# Altium PCB STM32F7_ExpansionBoard.PcbDoc (part 1 of 2) (continued)
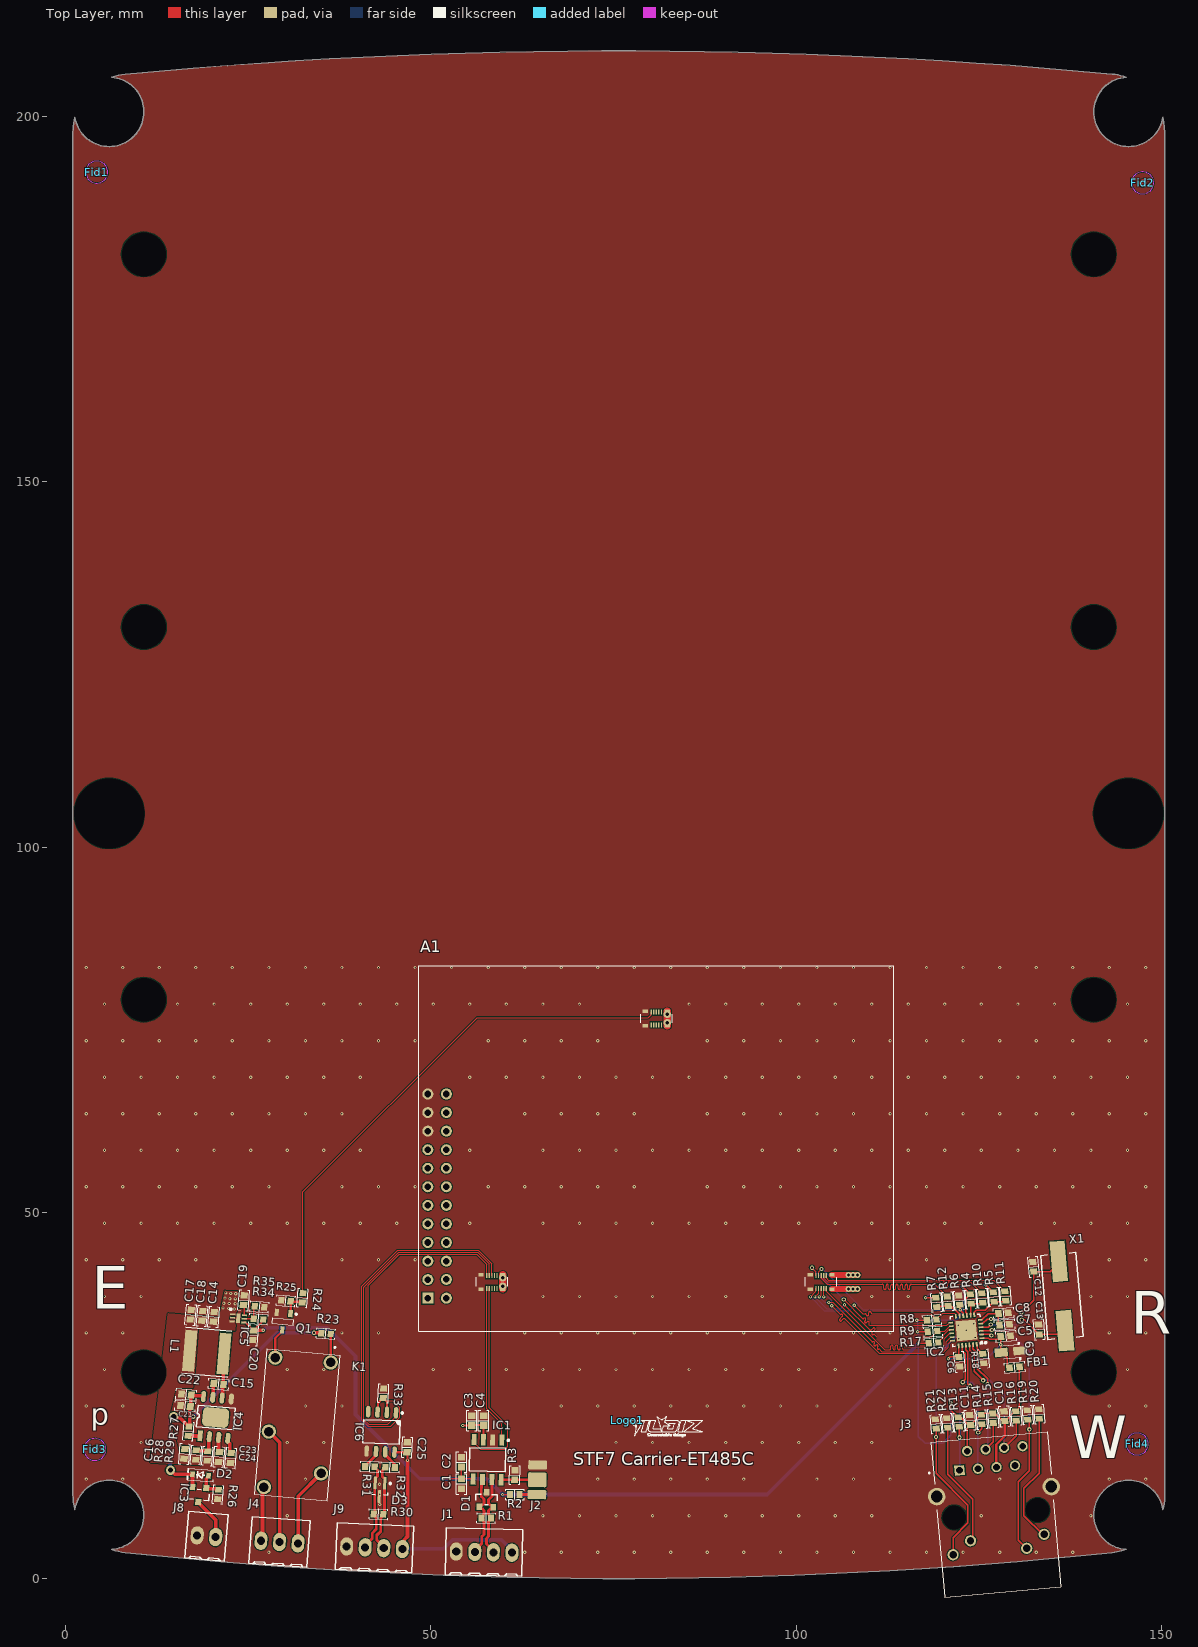
[diagram p0: Top Layer view]
## Part data (continued)
C9: library part "Capacitor - Tantalum", "Capacitor, Tantalum", Case/Package=1206, Case Code (Metric)=3216, Dielectric Material=Tantalum, ESR (Equivalent Series Resistance)=3.4R, Leakage Current=1uA, Manufacturer="Vishay Sprague", Manufacturer Part Number=293D106X0010A2TE3, Max Operating Temperature=125°C, Min Operating Temperature=-55°C, Package Quantity=2000, Ripple Current=150mA, Supplier Part Number 1=718-1118-1-ND, Tolerance=20%, Voltage Rating=10V, Capacitance=10uF, Case Code (Imperial)=1206, ComponentLink1Description=https://datasheet.ciiva.com/34303/1931149-34303313.pdf?src-supplier=Jameco, ComponentLink1URL=https://datasheet.ciiva.com/34303/1931149-34303313.pdf?src-supplier=Jameco, ComponentLink2Description=https://datasheet.ciiva.com/3003/293d-3003810.pdf?src-supplier=Avnet, ComponentLink2URL=https://datasheet.ciiva.com/3003/293d-3003810.pdf?src-supplier=Avnet, ComponentLink3Description=https://datasheet.ciiva.com/3003/293d-3003811.pdf?src-supplier=Avnet, ComponentLink3URL=https://datasheet.ciiva.com/3003/293d-3003811.pdf?src-supplier=Avnet, ComponentLink4Description=https://datasheet.ciiva.com/257/293d-257881.pdf?src-supplier=Digi-Key, ComponentLink4URL=https://datasheet.ciiva.com/257/293d-257881.pdf?src-supplier=Digi-Key, ComponentLink5Description=https://datasheet.ciiva.com/22644/1910915-22644425.pdf?src-supplier=Element14, ComponentLink5URL=https://datasheet.ciiva.com/22644/1910915-22644425.pdf?src-supplier=Element14, ComponentLink6Description=https://datasheet.ciiva.com/46382/1796648-46382041.pdf?src-supplier=Element14, ComponentLink6URL=https://datasheet.ciiva.com/46382/1796648-46382041.pdf?src-supplier=Element14, ComponentLink7Description=https://datasheet.ciiva.com/257/293d-257879.pdf?src-supplier=Digi-Key, ComponentLink7URL=https://datasheet.ciiva.com/257/293d-257879.pdf?src-supplier=Digi-Key, ComponentLink8Description=https://datasheet.ciiva.com/257/293d-257880.pdf?src-supplier=Digi-Key, ComponentLink8URL=https://datasheet.ciiva.com/257/293d-257880.pdf?src-supplier=Digi-Key, ComponentLink9Description=https://datasheet.ciiva.com/16631/293d-16631752.pdf?src-supplier=Avnet+Europe, ComponentLink9URL=https://datasheet.ciiva.com/16631/293d-16631752.pdf?src-supplier=Avnet+Europe, ComponentLink10Description=https://datasheet.ciiva.com/16214/293d-16214444.pdf?src-supplier=Future+Electronics, ComponentLink10URL=https://datasheet.ciiva.com/16214/293d-16214444.pdf?src-supplier=Future+Electronics, ComponentLink11Description=https://datasheet.ciiva.com/12911/293d-239871-12911551.pdf?src-supplier=Mouser, ComponentLink11URL=https://datasheet.ciiva.com/12911/293d-239871-12911551.pdf?src-supplier=Mouser, ComponentLink12Description=https://datasheet.ciiva.com/18443/70212567-18443951.pdf?src-supplier=Allied+Electronics, ComponentLink12URL=https://datasheet.ciiva.com/18443/70212567-18443951.pdf?src-supplier=Allied+Electronics, Depth=1.6mm, Dissipation Factor=6%, Features="General Purpose", Height=1.8mm, Height - Seated (Max)=0.071inch, Lead Free="Lead Free", Length=3.2mm, Mount="Surface Mount,PCB", Number of Pins=2, Packaging="Tape and Reel", Polarity=Polar, Pricing 1="1 = 0,30000, 10 = 0,21200, 100 = 0,12700, 500 = 0,09522, 1000 = 0,08041 (USD)", Radiation Hardening=No, REACH SVHC=Unknown, RoHS=Yes, Stock 1=31671, Supplier 1=Digi-Key, Termination=SMD/SMT, Voltage Rating (DC)=10V, Width=0.063inch
C12 C13: library part "Capacitor - Ceramic", "Ceramic, SMT Capacitor", Case/Package=0603, Case Code (Metric)=1608, Dielectric=C0G, Dielectric Material=Ceramic, Manufacturer=KEMET, Manufacturer Part Number=C0603C180J5GACTU, Max Operating Temperature=125°C, Min Operating Temperature=-55°C, Package Quantity=4000, Supplier Part Number 1=399-1052-1-ND, Temperature Coefficient=30ppm/°C, Tolerance=5%, Voltage=50V, Capacitance=18pF, Case Code (Imperial)=0603, ComponentLink1Description=https://datasheet.ciiva.com/7824/f9080b-0402-series-c0g-7824009.pdf?src-supplier=Element14, ComponentLink1URL=https://datasheet.ciiva.com/7824/f9080b-0402-series-c0g-7824009.pdf?src-supplier=Element14, ComponentLink2Description=https://datasheet.ciiva.com/7824/1372242-7824010.pdf?src-supplier=Element14, ComponentLink2URL=https://datasheet.ciiva.com/7824/1372242-7824010.pdf?src-supplier=Element14, Depth=0.8mm, Dissipation Factor=0.1%, Height=0.8mm, Lead Free="Lead Free", Length=1.6mm, Mount="Surface Mount", Packaging="Tape and Reel", Pricing 1="1 = 0,10000, 10 = 0,04900, 100 = 0,02170, 500 = 0,01552, 1000 = 0,01219 (USD)", Radiation Hardening=No, RoHS=Yes, Stock 1=262310, Supplier 1=Digi-Key, Termination=SMD/SMT, Voltage Rating=50V, Voltage Rating (DC)=50V, Width=0.8mm
C15 C19: library part "Capacitor - Ceramic", "Ceramic, SMT Capacitor", Case/Package=0603, Case Code (Metric)=1608, Dielectric=X7R, Manufacturer=Samsung, Manufacturer Part Number=CL10B104JB8NNNC, Max Operating Temperature=125°C, Min Operating Temperature=-55°C, Package Quantity=1, Supplier Part Number 1=1276-1033-1-ND, Tolerance=5%, Voltage=50V, Capacitance=100nF, Case Code (Imperial)=0603, ComponentLink1Description=https://media.digikey.com/pdf/Data%20Sheets/Samsung%20PDFs/CL_Series_MLCC_ds.pdf?src-supplier=Digi-Key, ComponentLink1URL=https://media.digikey.com/pdf/Data%20Sheets/Samsung%20PDFs/CL_Series_MLCC_ds.pdf?src-supplier=Digi-Key, ComponentLink2Description=https://www.verical.com/server-webapp/html/getDatasheet?partID=359321&src-supplier=Verical, ComponentLink2URL=https://www.verical.com/server-webapp/html/getDatasheet?partID=359321&src-supplier=Verical, ComponentLink3Description=http://www1.futureelectronics.com/doc/SAMSUNG/CL10B104JB8NNNC.pdf?src-supplier=Future+Electronics, ComponentLink3URL=http://www1.futureelectronics.com/doc/SAMSUNG/CL10B104JB8NNNC.pdf?src-supplier=Future+Electronics, ComponentLink4Description=https://produktinfo.conrad.com/datenblaetter/450000-474999/456613-da-01-en-VS_KONDENSATOR_0603.pdf?src-supplier=Conrad, ComponentLink4URL=https://produktinfo.conrad.com/datenblaetter/450000-474999/456613-da-01-en-VS_KONDENSATOR_0603.pdf?src-supplier=Conrad, Contact Plating=Tin, Depth=0.8mm, Height=0.8mm, Length=1.6mm, Material=Ceramic, Mount="Surface Mount", Packaging="Tape and Reel", Pricing 1="1 = 0,10000, 10 = 0,05300, 100 = 0,02350, 500 = 0,01680, 1000 = 0,01320 (USD)", Radiation Hardening=No, RoHS=Yes, Stock 1=223594, Supplier 1=Digi-Key, Thickness=0.035inch, Voltage Rating=50V, Width=0.031inch
C16: library part "Capacitor - Ceramic", "Ceramic, SMT Capacitor", Case/Package=0603, Case Code (Metric)=1608, Dielectric=C0G, Manufacturer=Samsung, Manufacturer Part Number=CL10C050BB8NNNC, Max Operating Temperature=125°C, Min Operating Temperature=-55°C, Package Quantity=1, Supplier Part Number 1=1276-2129-1-ND, Voltage Rating=50V, Capacitance=5pF, Case Code (Imperial)=0603, ComponentLink1Description=https://datasheet.ciiva.com/25724/cl10c050bb8nnnc-25724229.pdf?src-supplier=Digi-Key, ComponentLink1URL=https://datasheet.ciiva.com/25724/cl10c050bb8nnnc-25724229.pdf?src-supplier=Digi-Key, ComponentLink2Description=https://datasheet.ciiva.com/16214/cl05b104kq5nnnc-16214485.pdf?src-supplier=Future+Electronics, ComponentLink2URL=https://datasheet.ciiva.com/16214/cl05b104kq5nnnc-16214485.pdf?src-supplier=Future+Electronics, Depth=0.8mm, Height=0.8mm, Length=1.6mm, Mount="Surface Mount", Packaging="Tape and Reel", Pricing 1="1 = 0,10000, 10 = 0,06800, 100 = 0,03010, 500 = 0,02148, 1000 = 0,01688 (USD)", Radiation Hardening=No, RoHS=Yes, Stock 1=129045, Supplier 1=Digi-Key, Thickness=0.035inch, Width=0.031inch
C17 C18: library part "Capacitor - Ceramic", "Ceramic, SMT Capacitor", Case/Package=0603, Case Code (Metric)=1608, Manufacturer=Samsung, Manufacturer Part Number=CL10A226MPCNUBE, Max Operating Temperature=85°C, Min Operating Temperature=-55°C, Supplier Part Number 1=1276-6504-1-ND, Tolerance=20%, Voltage Rating=10V, Capacitance=22uF, Case Code (Imperial)=0603, ComponentLink1Description=http://www.samsungsem.com/kr/support/product-search/mlcc/CL10A226MPCNUBE.jsp?src-supplier=Digi-Key, ComponentLink1URL=http://www.samsungsem.com/kr/support/product-search/mlcc/CL10A226MPCNUBE.jsp?src-supplier=Digi-Key, Length=0.063inch, Mount="Surface Mount", Packaging="Tape and Reel", Pricing 1="1 = 0,38000, 10 = 0,26200, 100 = 0,15740, 500 = 0,11804, 1000 = 0,09967 (USD)", RoHS=Yes, Stock 1=739808, Supplier 1=Digi-Key, Thickness=0.037inch, Width=0.031inch
C21 C22: library part "Capacitor - Ceramic", "Ceramic, SMT Capacitor", Case/Package=0603, Case Code (Metric)=1608, Dielectric=X5R, Manufacturer=Samsung, Manufacturer Part Number=CL10A106MQ8NNNC, Max Operating Temperature=85°C, Min Operating Temperature=-55°C, Package Quantity=1, Supplier Part Number 1=1276-1119-1-ND, Tolerance=20%, Voltage=6.3V, Capacitance=10uF, Case Code (Imperial)=0603, ComponentLink1Description=https://datasheet.ciiva.com/25798/cl10a106mq8nnnc-25798320.pdf?src-supplier=Digi-Key, ComponentLink1URL=https://datasheet.ciiva.com/25798/cl10a106mq8nnnc-25798320.pdf?src-supplier=Digi-Key, ComponentLink2Description=https://datasheet.ciiva.com/26838/getdatasheetpartid-357557-26838347.pdf?src-supplier=Verical, ComponentLink2URL=https://datasheet.ciiva.com/26838/getdatasheetpartid-357557-26838347.pdf?src-supplier=Verical, ComponentLink3Description=https://datasheet.ciiva.com/16437/cl05b104kq5nnnc-16437327.pdf?src-supplier=Future+Electronics, ComponentLink3URL=https://datasheet.ciiva.com/16437/cl05b104kq5nnnc-16437327.pdf?src-supplier=Future+Electronics, Contact Plating=Tin, Depth=0.8mm, Height=0.8mm, Length=1.6mm, Mount="Surface Mount", Packaging="Tape and Reel", Pricing 1="1 = 0,15000, 10 = 0,11000, 100 = 0,05150, 500 = 0,03614, 1000 = 0,02992 (USD)", Radiation Hardening=No, RoHS=Yes, Stock 1=4408315, Supplier 1=Digi-Key, Thickness=0.035inch, Voltage Rating=6.3V, Width=0.031inch
C23: library part "Capacitor - Ceramic", "Ceramic, SMT Capacitor", Case/Package=0603, Dielectric=X7R, Manufacturer="Walsin Technologies", Manufacturer Part Number=0603B822K500CT, Max Operating Temperature=125°C, Min Operating Temperature=-55°C, Supplier Part Number 1=1292-1465-1-ND, Tolerance=10%, Capacitance=8.2nF, ComponentLink1Description=http://components.arrow.com/part/dataview/0323_00656732?src-supplier=Arrow+Europe, ComponentLink1URL=http://components.arrow.com/part/dataview/0323_00656732?src-supplier=Arrow+Europe, ComponentLink2Description=https://www.verical.com/server-webapp/html/getDatasheet?partID=414331&src-supplier=Verical, ComponentLink2URL=https://www.verical.com/server-webapp/html/getDatasheet?partID=414331&src-supplier=Verical, Depth=0.8mm, Length=1.6mm, Packaging="Tape and Reel", Pricing 1="1 = 0,10000, 10 = 0,04500, 100 = 0,02010, 500 = 0,01436, 1000 = 0,01128 (USD)", Radiation Hardening=No, RoHS=Yes, Stock 1=48948, Supplier 1=Digi-Key
C25: library part "Cap - Ceramic", "Capacitor, Ceramic", Case/Package=0603, Case Code (Metric)=1608, Dielectric=X5R, Manufacturer=Samsung, Manufacturer Part Number=CL10A104KA8NNNC, Max Operating Temperature=85°C, Min Operating Temperature=-55°C, Package Quantity=1, Supplier Part Number 1=1276-1857-1-ND, Tolerance=10%, Voltage Rating=25V, Capacitance=100nF, Case Code (Imperial)=0603, ComponentLink1Description=http://www.samsungsem.com/kr/support/library/product-catalog/mlcc.jsp, ComponentLink1URL=http://www.samsungsem.com/kr/support/library/product-catalog/mlcc.jsp, Contact Plating=Tin, Lead Free="Lead Free", Length=0.063inch, Mount="Surface Mount", Packaging="Tape and Reel", Price=0,1, Pricing 1="1 = 0,10000, 10 = 0,04600, 100 = 0,02070, 500 = 0,01478, 1000 = 0,01162 (USD)", RoHS=Yes, Stock 1=978306, Supplier 1=Digi-Key, Termination=Wraparound, Thickness=0.035inch, Voltage Rating (DC)=25V, Width=0.031inch
D1: library part NUP2105LT1G, "TVS DIODE 24V 44V SOT23-3", Manufacturer=Littelfuse, Manufacturer Part Number=AQ24CANFD-02HTG, Supplier Part Number 1=F10993CT-ND, ComponentLink1Description=Datasheet, ComponentLink1URL=http://www.onsemi.com/pub/Collateral/NUP2105L-D.PDF, ComponentLink2Description="DigiKey Link", ComponentLink2URL=http://digikey.com/product-detail/en/on-semiconductor/NUP2105LT1G/NUP2105LT1GOSCT-ND/1485001, Pricing 1="1 = 0,41000, 10 = 0,32900, 25 = 0,30120, 100 = 0,18900, 250 = 0,18692, 500 = 0,17500, 1000 = 0,11900 (USD)", RoHS=No, Stock 1=2428, Supplier 1=Digi-Key
D2: library part MM3Z6V2ST1G, "DIODE ZENER 6.2V 300MW SOD323", Case/Package=SOD-323-2, Forward Voltage=900mV, Manufacturer="ON Semiconductor", Max Operating Temperature=150°C, Max Power Dissipation=200mW, Max Reverse Leakage Current=3uA, Min Operating Temperature=-65°C, Package Quantity=3000, Supplier Part Number 1=MM3Z6V2ST1GOSCT-ND, Test Current=5mA, Tolerance=2%, Voltage Rating (DC)=6.2V, Zener Current=10mA, ComponentLink1Description=Datasheet, ComponentLink1URL=https://www.onsemi.com/pub/Collateral/MM3Z2V4ST1-D.PDF, ComponentLink2Description="DigiKey Link", ComponentLink2URL=http://digikey.com/product-detail/en/on-semiconductor/MM3Z6V2ST1G/MM3Z6V2ST1GOSCT-ND/2705115, ComponentLink3Description=https://datasheet.ciiva.com/16292/mm3z6v2st1g-16292653.pdf?src-supplier=Future+Electronics, ComponentLink3URL=https://datasheet.ciiva.com/16292/mm3z6v2st1g-16292653.pdf?src-supplier=Future+Electronics, ComponentLink4Description=https://datasheet.ciiva.com/899/mm3z2v4st1-d-899825.pdf?src-supplier=Digi-Key, ComponentLink4URL=https://datasheet.ciiva.com/899/mm3z2v4st1-d-899825.pdf?src-supplier=Digi-Key, ComponentLink5Description=https://datasheet.ciiva.com/899/mm3z2v4st1-d-899826.pdf?src-supplier=Digi-Key, ComponentLink5URL=https://datasheet.ciiva.com/899/mm3z2v4st1-d-899826.pdf?src-supplier=Digi-Key, ComponentLink6Description=https://datasheet.ciiva.com/22626/1878251-22626917.pdf?src-supplier=Element14, ComponentLink6URL=https://datasheet.ciiva.com/22626/1878251-22626917.pdf?src-supplier=Element14, ComponentLink7Description=https://datasheet.ciiva.com/16473/mm3z2v4st1-d-16473527.pdf?src-supplier=Avnet+Asia, ComponentLink7URL=https://datasheet.ciiva.com/16473/mm3z2v4st1-d-16473527.pdf?src-supplier=Avnet+Asia, ComponentLink8Description=https://datasheet.ciiva.com/22626/1878251-22626919.pdf?src-supplier=Element14, ComponentLink8URL=https://datasheet.ciiva.com/22626/1878251-22626919.pdf?src-supplier=Element14, ComponentLink9Description=https://datasheet.ciiva.com/10637/mm3z2v4st1-d-10637848.pdf?src-supplier=Avnet, ComponentLink9URL=https://datasheet.ciiva.com/10637/mm3z2v4st1-d-10637848.pdf?src-supplier=Avnet, ComponentLink10Description=https://datasheet.ciiva.com/899/mm3z2v4st1-d-899827.pdf?src-supplier=Digi-Key, ComponentLink10URL=https://datasheet.ciiva.com/899/mm3z2v4st1-d-899827.pdf?src-supplier=Digi-Key, Contact Plating=Tin,Matte, Element Configuration=Single, ESD Protection=Yes, Height=1mm, Impedance=10R, Lead Free="Lead Free", Length=1.8mm, Manufacturer Part Number=MM3Z6V2ST1G, Material=Plastic, Number of Pins=2, Packaging="Tape and Reel", Peak Reverse Current=3uA, Power Dissipation=200mW, Power Rating=200mW, Pricing 1="1 = 0,13000, 10 = 0,11800, 25 = 0,11240, 100 = 0,04950, 250 = 0,04752, 500 = 0,03888, 1000 = 0,02700 (USD)", Radiation Hardening=No, REACH SVHC="No SVHC", RoHS=Yes, Stock 1=67524, Supplier 1=Digi-Key, Voltage Tolerance=2%, Width=1.35mm, Working Voltage=6.2V, Zener Voltage=6.2V
D3: library part "TVS Array", "Dual-line Transil™,  transient voltage suppressor (TVS)", Breakdown Voltage=13.3V, Capacitance=75pF, Case/Package=SOT-23, Clamping Voltage=26V, Leakage Current=20uA, Manufacturer=Bourns, Manufacturer Part Number=CDSOT23-SM712, Max Operating Temperature=150°C, Max Power Dissipation=600W, Max Surge Current=30A, Min Operating Temperature=-55°C, Package Quantity=1, Peak Pulse Current=17A, Peak Pulse Power=400W, Power Line Protection=No, Reverse Standoff Voltage=12V, Supplier Part Number 1=CDSOT23-SM712CT-ND, Test Current=1mA, ComponentLink1Description=http://www.farnell.com/datasheets/2645121.pdf, ComponentLink1URL=http://www.farnell.com/datasheets/2645121.pdf, ComponentLink2Description=http://www.bourns.com/docs/Product-Datasheets/CDSOT23-SM712.pdf, ComponentLink2URL=http://www.bourns.com/docs/Product-Datasheets/CDSOT23-SM712.pdf, ComponentLink3Description=https://www.bourns.com/docs/technical-documents/technical-library/circuit-protection/design-notes/bourns_rs485_evalboard4_design_note.pdf, ComponentLink3URL=https://www.bourns.com/docs/technical-documents/technical-library/circuit-protection/design-notes/bourns_rs485_evalboard4_design_note.pdf, ComponentLink4Description=http://www.farnell.com/datasheets/1670933.pdf, ComponentLink4URL=http://www.farnell.com/datasheets/1670933.pdf, Composition=Zener, Contact Plating=Tin, Depth=1.4mm, Direction=Bidirectional, Element Configuration=Dual, ESD Protection=Yes, Height=1.11mm, Length=3.04mm, Max Breakdown Voltage=13.3V, Max Reverse Leakage Current=20uA, Min Breakdown Voltage=13.3V, Mount="Surface Mount", Number of Bidirectional Channels=2, Number of Channels=2, Number of Elements=2, Number of Pins=3, Packaging="Tape and Reel", Polarity=Bidirectional,Unidirectional, Power Dissipation=400W, Pricing 1="1 = 1,70000, 10 = 1,50900, 25 = 1,36280, 100 = 1,19240, 250 = 1,04636, 500 = 0,92468, 1000 = 0,73001 (USD)", Radiation Hardening=No, REACH SVHC="No SVHC", Reverse Breakdown Voltage=13.3V, RoHS=Yes, Stock 1=158124, Supplier 1=Digi-Key, Termination=SMD/SMT, Width=0.055inch, Working Voltage=12V
FB1: library part "Ferrite Chip", "SMT Ferrite Chip", Case/Package=0603, Case Code (Metric)=1608, Current Rating=2A, DC Resistance (DCR)=50mR, Frequency=100MHz, Manufacturer=Murata, Manufacturer Part Number=BLM18PG-121SN1D, Max Operating Temperature=125°C, Min Operating Temperature=-55°C, Package Quantity=1, Supplier Part Number 1=490-1037-1-ND, Tolerance=25%, Case Code (Imperial)=0603, ComponentLink1Description=http://www.farnell.com/datasheets/1740433.pdf?src-supplier=Avnet, ComponentLink1URL=http://www.farnell.com/datasheets/1740433.pdf?src-supplier=Avnet, ComponentLink2Description=http://www.farnell.com/datasheets/1740433.pdf?src-supplier=Farnell, ComponentLink2URL=http://www.farnell.com/datasheets/1740433.pdf?src-supplier=Farnell, ComponentLink3Description=http://www.farnell.com/datasheets/1740433.pdf?src-supplier=Element14, ComponentLink3URL=http://www.farnell.com/datasheets/1740433.pdf?src-supplier=Element14, ComponentLink4Description=https://www.murata.com/en-us/products/productdata/8796738650142/ENFA0003.pdf?src-supplier=Digi-Key, ComponentLink4URL=https://www.murata.com/en-us/products/productdata/8796738650142/ENFA0003.pdf?src-supplier=Digi-Key, ComponentLink5Description=http://www.farnell.com/datasheets/1740433.pdf?src-supplier=Arrow, ComponentLink5URL=http://www.farnell.com/datasheets/1740433.pdf?src-supplier=Arrow, ComponentLink6Description=http://www.farnell.com/datasheets/1740433.pdf?src-supplier=Distrelec, ComponentLink6URL=http://www.farnell.com/datasheets/1740433.pdf?src-supplier=Distrelec, ComponentLink7Description=http://uk.rs-online.com/webdocs/13d6/0900766b813d688c.pdf?src-supplier=RSComponents, ComponentLink7URL=http://uk.rs-online.com/webdocs/13d6/0900766b813d688c.pdf?src-supplier=RSComponents, ComponentLink8Description=http://www.farnell.com/datasheets/1740433.pdf?src-supplier=Jameco, ComponentLink8URL=http://www.farnell.com/datasheets/1740433.pdf?src-supplier=Jameco, ComponentLink9Description=http://www.farnell.com/datasheets/1740433.pdf?src-supplier=Avnet+Europe, ComponentLink9URL=http://www.farnell.com/datasheets/1740433.pdf?src-supplier=Avnet+Europe, ComponentLink10Description=http://www.produktinfo.conrad.com/datenblaetter/425000-449999/442365-da-01-en-CHIP_DROSSEL_0603_120R_2000MA_1_6X0_8MM.pdf?src-supplier=Conrad, ComponentLink10URL=http://www.produktinfo.conrad.com/datenblaetter/425000-449999/442365-da-01-en-CHIP_DROSSEL_0603_120R_2000MA_1_6X0_8MM.pdf?src-supplier=Conrad, ComponentLink11Description=http://www.produktinfo.conrad.com/datenblaetter/1100000-1199999/001172297-da-01-en-DROSSEL_0603_120R_1_6X0_8MM_4000ST.pdf?src-supplier=Conrad, ComponentLink11URL=http://www.produktinfo.conrad.com/datenblaetter/1100000-1199999/001172297-da-01-en-DROSSEL_0603_120R_1_6X0_8MM_4000ST.pdf?src-supplier=Conrad, Core Material=Ferrite, DC Current=2A, Depth=0.8mm, Height=0.8mm, Impedance=120R, Lead Free="Lead Free", Length=1.6mm, Material=Ferrite,Steel, Max Current Rating=2A, Max DC Current=2A, Number of Circuits=1, Number of Lines=1, Number of Pins=2, Packaging="Tape and Reel", Pricing 1="1 = 0,10000, 10 = 0,07600, 25 = 0,06840, 50 = 0,05000, 100 = 0,04330, 250 = 0,03416, 500 = 0,02884, 1000 = 0,02429 (USD)", Radiation Hardening=No, REACH SVHC="No SVHC", RoHS=Yes, Shielding=Unshielded, Stock 1=1352097, Supplier 1=Digi-Key, Termination=SMD/SMT, Test Frequency=100MHz, Width=0.8mm
Fid1 Fid2 Fid3 Fid4: "Fiducial Mark", Part Number=Fid-Mark, Artikkelnr Noca=N.A., Artikkelnr Simpro=N.A., Footprint Doc=Fiducial, LatestRevisionDate=2009-12-12, Pin Count=1, Published=2009-12-12, Publisher="Nordic Semiconductor"
IC1: library part "NXP TJA1042T_3_1J", "High Speed CAN, CAN FD Transceiver", Case/Package=SOIC, Manufacturer="NXP Semiconductors", Manufacturer Part Number=TJA1042T/3/1J, Max Operating Temperature=150°C, Max Supply Current=70mA, Max Supply Voltage=5.5V, Min Operating Temperature=-40°C, Min Supply Voltage=4.5V, Supplier Part Number 1=568-12625-1-ND, ComponentLink1Description=https://datasheet.ciiva.com/29898/tja1042-29898024.pdf?src-supplier=Avnet, ComponentLink1URL=https://datasheet.ciiva.com/29898/tja1042-29898024.pdf?src-supplier=Avnet, Contact Plating=Gold,Silver, Data Rate=5Mbps, Lead Free="Lead Free", Mount="Surface Mount", Number of Pins=8, Number of Transceivers=1, Packaging="Tape and Reel", Pricing 1="1 = 1,24000, 10 = 1,11300, 25 = 1,05600, 100 = 0,81100, 250 = 0,71668, 500 = 0,67896, 1000 = 0,52808 (USD)", Radiation Hardening=No, REACH SVHC="No SVHC", Receiver Hysteresis=120mV, RoHS=Yes, Simplex/Duplex="Half Duplex", Stock 1=9244, Supplier 1=Digi-Key
IC2: library part "SMSC LAN8742", "Small Footprint RMII 10/100 Ethernet Transceiver with HP / Auto-MDIX and flexPWR® Technology", Case/Package=QFN, Manufacturer=Microchip, Manufacturer Part Number=LAN8742A-CZ-TR, Max Operating Temperature=85°C, Max Supply Voltage=3.3V, Min Operating Temperature=0°C, Min Supply Voltage=1.8V, Package Quantity=5000, Supplier Part Number 1=LAN8742A-CZ-CT-ND, ComponentLink1Description=https://datasheet.ciiva.com/29882/8742a-29882620.pdf?src-supplier=Avnet, ComponentLink1URL=https://datasheet.ciiva.com/29882/8742a-29882620.pdf?src-supplier=Avnet, Data Rate=100Mbps, Mount="Surface Mount", Number of Pins=24, Number of Transceivers=1, Packaging="Tape and Reel", Pricing 1="1 = 1,20000, 25 = 1,00000, 100 = 0,91000 (USD)", Radiation Hardening=No, RoHS=Yes, Stock 1=5858, Supplier 1=Digi-Key
IC3: library part DMP3099L-7, "MOSFET P-CH 30V SOT23", Case/Package=SOT-23, Continuous Drain Current (ID)=3.8A, Drain to Source Resistance=65mR, Drain to Source Voltage (Vdss)=-30V, Gate to Source Voltage (Vgs)=20V, Input Capacitance=563pF, Manufacturer=Diodes, Max Operating Temperature=150°C, Max Power Dissipation=1.08W, Min Operating Temperature=-55°C, Package Quantity=3000, Supplier Part Number 1=DMP3099L-7DICT-ND, Threshold Voltage=-2.1V, ComponentLink1Description=Datasheet, ComponentLink1URL=https://www.diodes.com/assets/Datasheets/DMP3099L.pdf, ComponentLink2Description="DigiKey Link", ComponentLink2URL=http://digikey.com/product-detail/en/diodes-incorporated/DMP3099L-7/DMP3099L-7DICT-ND/5218217, ComponentLink3Description=http://www.farnell.com/datasheets/2040103.pdf?src-supplier=Farnell, ComponentLink3URL=http://www.farnell.com/datasheets/2040103.pdf?src-supplier=Farnell, ComponentLink4Description=http://www.mouser.com/ds/2/115/DMP3099L-266220.pdf?src-supplier=Mouser, ComponentLink4URL=http://www.mouser.com/ds/2/115/DMP3099L-266220.pdf?src-supplier=Mouser, ComponentLink5Description=http://www.alliedelec.com/m/d/a7453f83181edfde31570147b9d1ef2f.pdf?src-supplier=Allied+Electronics, ComponentLink5URL=http://www.alliedelec.com/m/d/a7453f83181edfde31570147b9d1ef2f.pdf?src-supplier=Allied+Electronics, ComponentLink6Description=http://www.diodes.com/datasheets/DMP3099L.pdf?src-supplier=Avnet, ComponentLink6URL=http://www.diodes.com/datasheets/DMP3099L.pdf?src-supplier=Avnet, ComponentLink7Description=http://www.diodes.com/datasheets/DMP3099L.pdf?src-supplier=Avnet+Asia, ComponentLink7URL=http://www.diodes.com/datasheets/DMP3099L.pdf?src-supplier=Avnet+Asia, ComponentLink8Description=https://www.diodes.com/assets/Datasheets/DMP3099L.pdf?src-supplier=Digi-Key, ComponentLink8URL=https://www.diodes.com/assets/Datasheets/DMP3099L.pdf?src-supplier=Digi-Key, ComponentLink9Description=http://www.farnell.com/datasheets/2040103.pdf?src-supplier=Newark, ComponentLink9URL=http://www.farnell.com/datasheets/2040103.pdf?src-supplier=Newark, ComponentLink10Description=http://www.farnell.com/datasheets/2040103.pdf?src-supplier=Element14, ComponentLink10URL=http://www.farnell.com/datasheets/2040103.pdf?src-supplier=Element14, ComponentLink11Description=http://www.diodes.com/datasheets/DMP3099L.pdf?src-supplier=Digi-Key, ComponentLink11URL=http://www.diodes.com/datasheets/DMP3099L.pdf?src-supplier=Digi-Key, Contact Plating=Tin,Matte, Element Configuration=Single, Fall Time=15ns, Height=1.1mm, Lead Free="Lead Free", Length=3mm, Manufacturer Part Number=DMP3099L-7, Mount="Surface Mount", Number of Channels=1, Number of Pins=3, Packaging="Tape and Reel", Pricing 1="1 = 0,33000, 10 = 0,24200, 25 = 0,21200, 100 = 0,11510, 250 = 0,11452, 500 = 0,09394, 1000 = 0,06969 (USD)", Radiation Hardening=No, Rds On Max=65mR, REACH SVHC="No SVHC", Rise Time=5ns, RoHS=Yes, Stock 1=60343, Supplier 1=Digi-Key, Turn-Off Delay Time=31ns, Turn-On Delay Time=4.8ns, Weight=0.000282oz, Width=1.4mm
IC4: library part "DIODES AP65450", Case/Package=SOIC, Manufacturer=Diodes, Manufacturer Part Number=AP65450SP-13, Max Input Voltage=18V, Max Operating Temperature=85°C, Max Output Current=4A, Max Output Voltage=6V, Min Input Voltage=4.5V, Min Operating Temperature=-40°C, Min Output Voltage=760mV, Operating Supply Current=900uA, Package Quantity=2500, Supplier Part Number 1=AP65450SP-13DICT-ND, Switching Frequency=650kHz, ComponentLink1Description=http://www.mouser.com/ds/2/115/AP65450-515037.pdf?src-supplier=Mouser, ComponentLink1URL=http://www.mouser.com/ds/2/115/AP65450-515037.pdf?src-supplier=Mouser, ComponentLink2Description=https://www.diodes.com/assets/Datasheets/AP65450.pdf?src-supplier=Digi-Key, ComponentLink2URL=https://www.diodes.com/assets/Datasheets/AP65450.pdf?src-supplier=Digi-Key, ComponentLink3Description=http://diodes.com/datasheets/AP65450.pdf?src-supplier=Avnet, ComponentLink3URL=http://diodes.com/datasheets/AP65450.pdf?src-supplier=Avnet, Contact Plating=Tin,Matte, Lead Free="Lead Free", Min Supply Voltage=4.5V, Mount="Surface Mount", Number of Outputs=1, Number of Pins=8, Operating Supply Voltage=18V, Output Configuration=Positive, Output Current=4A, Output Type=Adjustable, Output Voltage=6V, Packaging="Tape and Reel", Pricing 1="1 = 0,83000, 10 = 0,73300, 25 = 0,68880, 100 = 0,52220, 250 = 0,44440, 500 = 0,42218, 1000 = 0,32219 (USD)", RoHS=Yes, Stock 1=3355, Supplier 1=Digi-Key, Synchronous Rectifier=Yes
IC5: library part "MICROCHIP MIC5353", "Integrated Circuit", Manufacturer=Microchip, Manufacturer Part Number=MIC5353YMT-TR, Supplier Part Number 1=576-3681-1-ND, ComponentLink1Description=http://www.farnell.com/datasheets/2245202.pdf?src-supplier=Farnell, ComponentLink1URL=http://www.farnell.com/datasheets/2245202.pdf?src-supplier=Farnell, ComponentLink2Description=http://www.microchip.com/mymicrochip/filehandler.aspx?ddocname=en579989&src-supplier=Digi-Key, ComponentLink2URL=http://www.microchip.com/mymicrochip/filehandler.aspx?ddocname=en579989&src-supplier=Digi-Key, ComponentLink3Description=http://www.farnell.com/datasheets/1692673.pdf?src-supplier=Element14, ComponentLink3URL=http://www.farnell.com/datasheets/1692673.pdf?src-supplier=Element14, ComponentLink4Description=https://datasheet.ciiva.com/2049/mic5353-2049344.pdf?src-supplier=Digi-Key, ComponentLink4URL=https://datasheet.ciiva.com/2049/mic5353-2049344.pdf?src-supplier=Digi-Key, ComponentLink5Description=https://datasheet.ciiva.com/2049/mic5353-2049342.pdf?src-supplier=Digi-Key, ComponentLink5URL=https://datasheet.ciiva.com/2049/mic5353-2049342.pdf?src-supplier=Digi-Key, ComponentLink6Description=https://datasheet.ciiva.com/2049/mic5353-2049343.pdf?src-supplier=Digi-Key, ComponentLink6URL=https://datasheet.ciiva.com/2049/mic5353-2049343.pdf?src-supplier=Digi-Key, Pricing 1="1 = 0,34000, 25 = 0,28000, 100 = 0,26000 (USD)", RoHS=Yes, Stock 1=1004, Supplier 1=Digi-Key
IC6: library part SN65HVD78DR, "IC TRANSCEIVER HALF 1/1 8SOIC", Case/Package=D, Manufacturer="Texas Instruments", Manufacturer Part Number=SN75ALS176DR, Max Operating Temperature=70°C, Max Supply Current=30mA, Max Supply Voltage=5.25V, Min Operating Temperature=0°C, Min Supply Voltage=4.75V, Operating Supply Voltage=5V, Package Quantity=1, Supplier Part Number 1=296-14966-1-ND, ComponentLink1Description=Datasheet, ComponentLink1URL=http://www.ti.com/general/docs/suppproductinfo.tsp?distId=10&gotoUrl=http%3A%2F%2Fwww.ti.com%2Flit%2Fgpn%2Fsn65hvd78, ComponentLink2Description="DigiKey Link", ComponentLink2URL=http://digikey.com/product-detail/en/texas-instruments/SN65HVD78DR/296-36714-1-ND/4341340, ComponentLink3Description=https://datasheet.ciiva.com/26837/sn75als176dr-26837272.pdf?src-supplier=IIIC, ComponentLink3URL=https://datasheet.ciiva.com/26837/sn75als176dr-26837272.pdf?src-supplier=IIIC, ComponentLink4Description=https://datasheet.ciiva.com/14427/sn75als176a-14427911.pdf?src-supplier=Avnet, ComponentLink4URL=https://datasheet.ciiva.com/14427/sn75als176a-14427911.pdf?src-supplier=Avnet, ComponentLink5Description=https://datasheet.ciiva.com/1703/sn65als176-1703130.pdf?src-supplier=Digi-Key, ComponentLink5URL=https://datasheet.ciiva.com/1703/sn65als176-1703130.pdf?src-supplier=Digi-Key, ComponentLink6Description=https://datasheet.ciiva.com/1703/sn65als176-1703132.pdf?src-supplier=Digi-Key, ComponentLink6URL=https://datasheet.ciiva.com/1703/sn65als176-1703132.pdf?src-supplier=Digi-Key, ComponentLink7Description=https://datasheet.ciiva.com/1703/sn65als176-1703131.pdf?src-supplier=Digi-Key, ComponentLink7URL=https://datasheet.ciiva.com/1703/sn65als176-1703131.pdf?src-supplier=Digi-Key, ComponentLink8Description=https://datasheet.ciiva.com/48707/001048080-da-01-en-ic-dff-bus-tvr-s-sn75als176dr-soic-8-tid-48707959.pdf?src-supplier=Conrad, ComponentLink8URL=https://datasheet.ciiva.com/48707/001048080-da-01-en-ic-dff-bus-tvr-s-sn75als176dr-soic-8-tid-48707959.pdf?src-supplier=Conrad, Contact Plating=Gold, Data Rate=35Mbps, ESD Protection=No, Height=1.58mm, Lead Free="Lead Free", Length=4.9mm, Logic Function=Transceiver, Nominal Supply Current=30mA, Number of Drivers=1, Number of Pins=8, Number of Receivers=1, Number of Transceivers=1, Number of Transmitters=1, Operating Supply Current=30mA, Packaging="Tape and Reel", Pricing 1="1 = 0,99000, 10 = 0,88500, 25 = 0,84000, 100 = 0,69000, 250 = 0,64500, 500 = 0,57000, 1000 = 0,45000 (USD)", Radiation Hardening=No, RoHS=Yes, Simplex/Duplex="Half Duplex", Stock 1=2500, Supplier 1=Digi-Key, Weight=0.002561oz, Width=3.91mm